# Allegro board FMDEMOD-57.brd
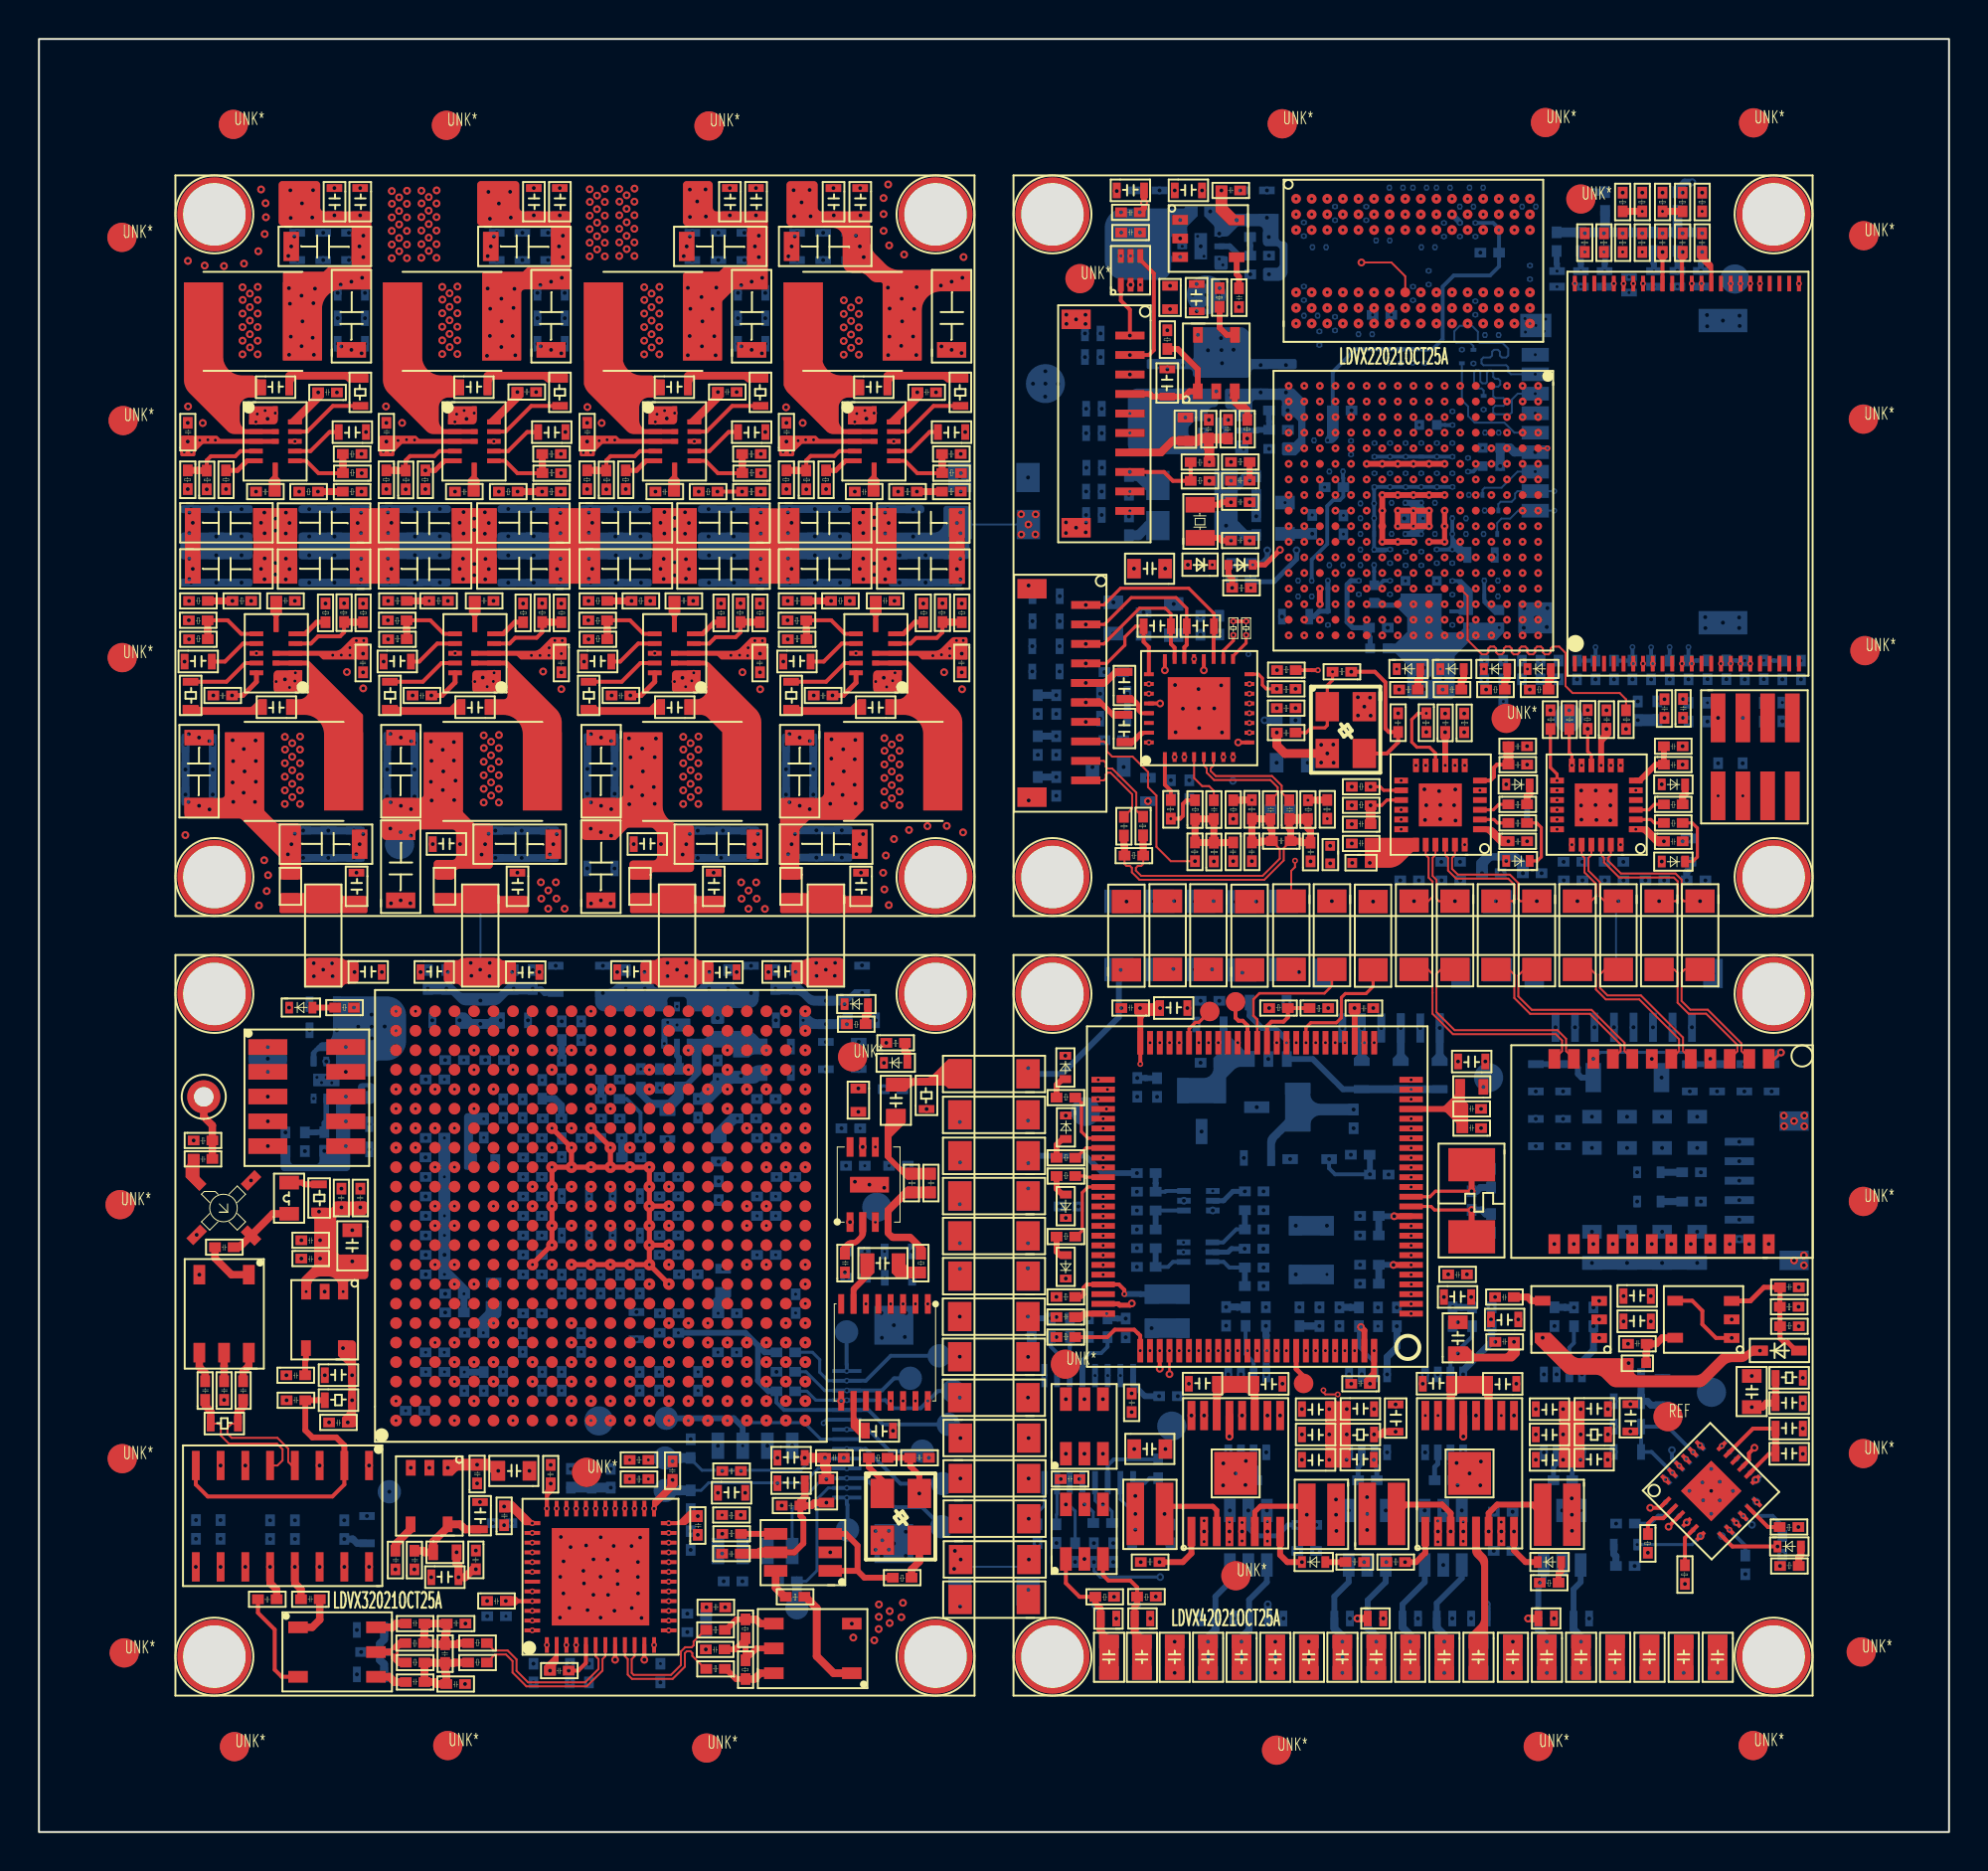
[diagram p0: board, top side]
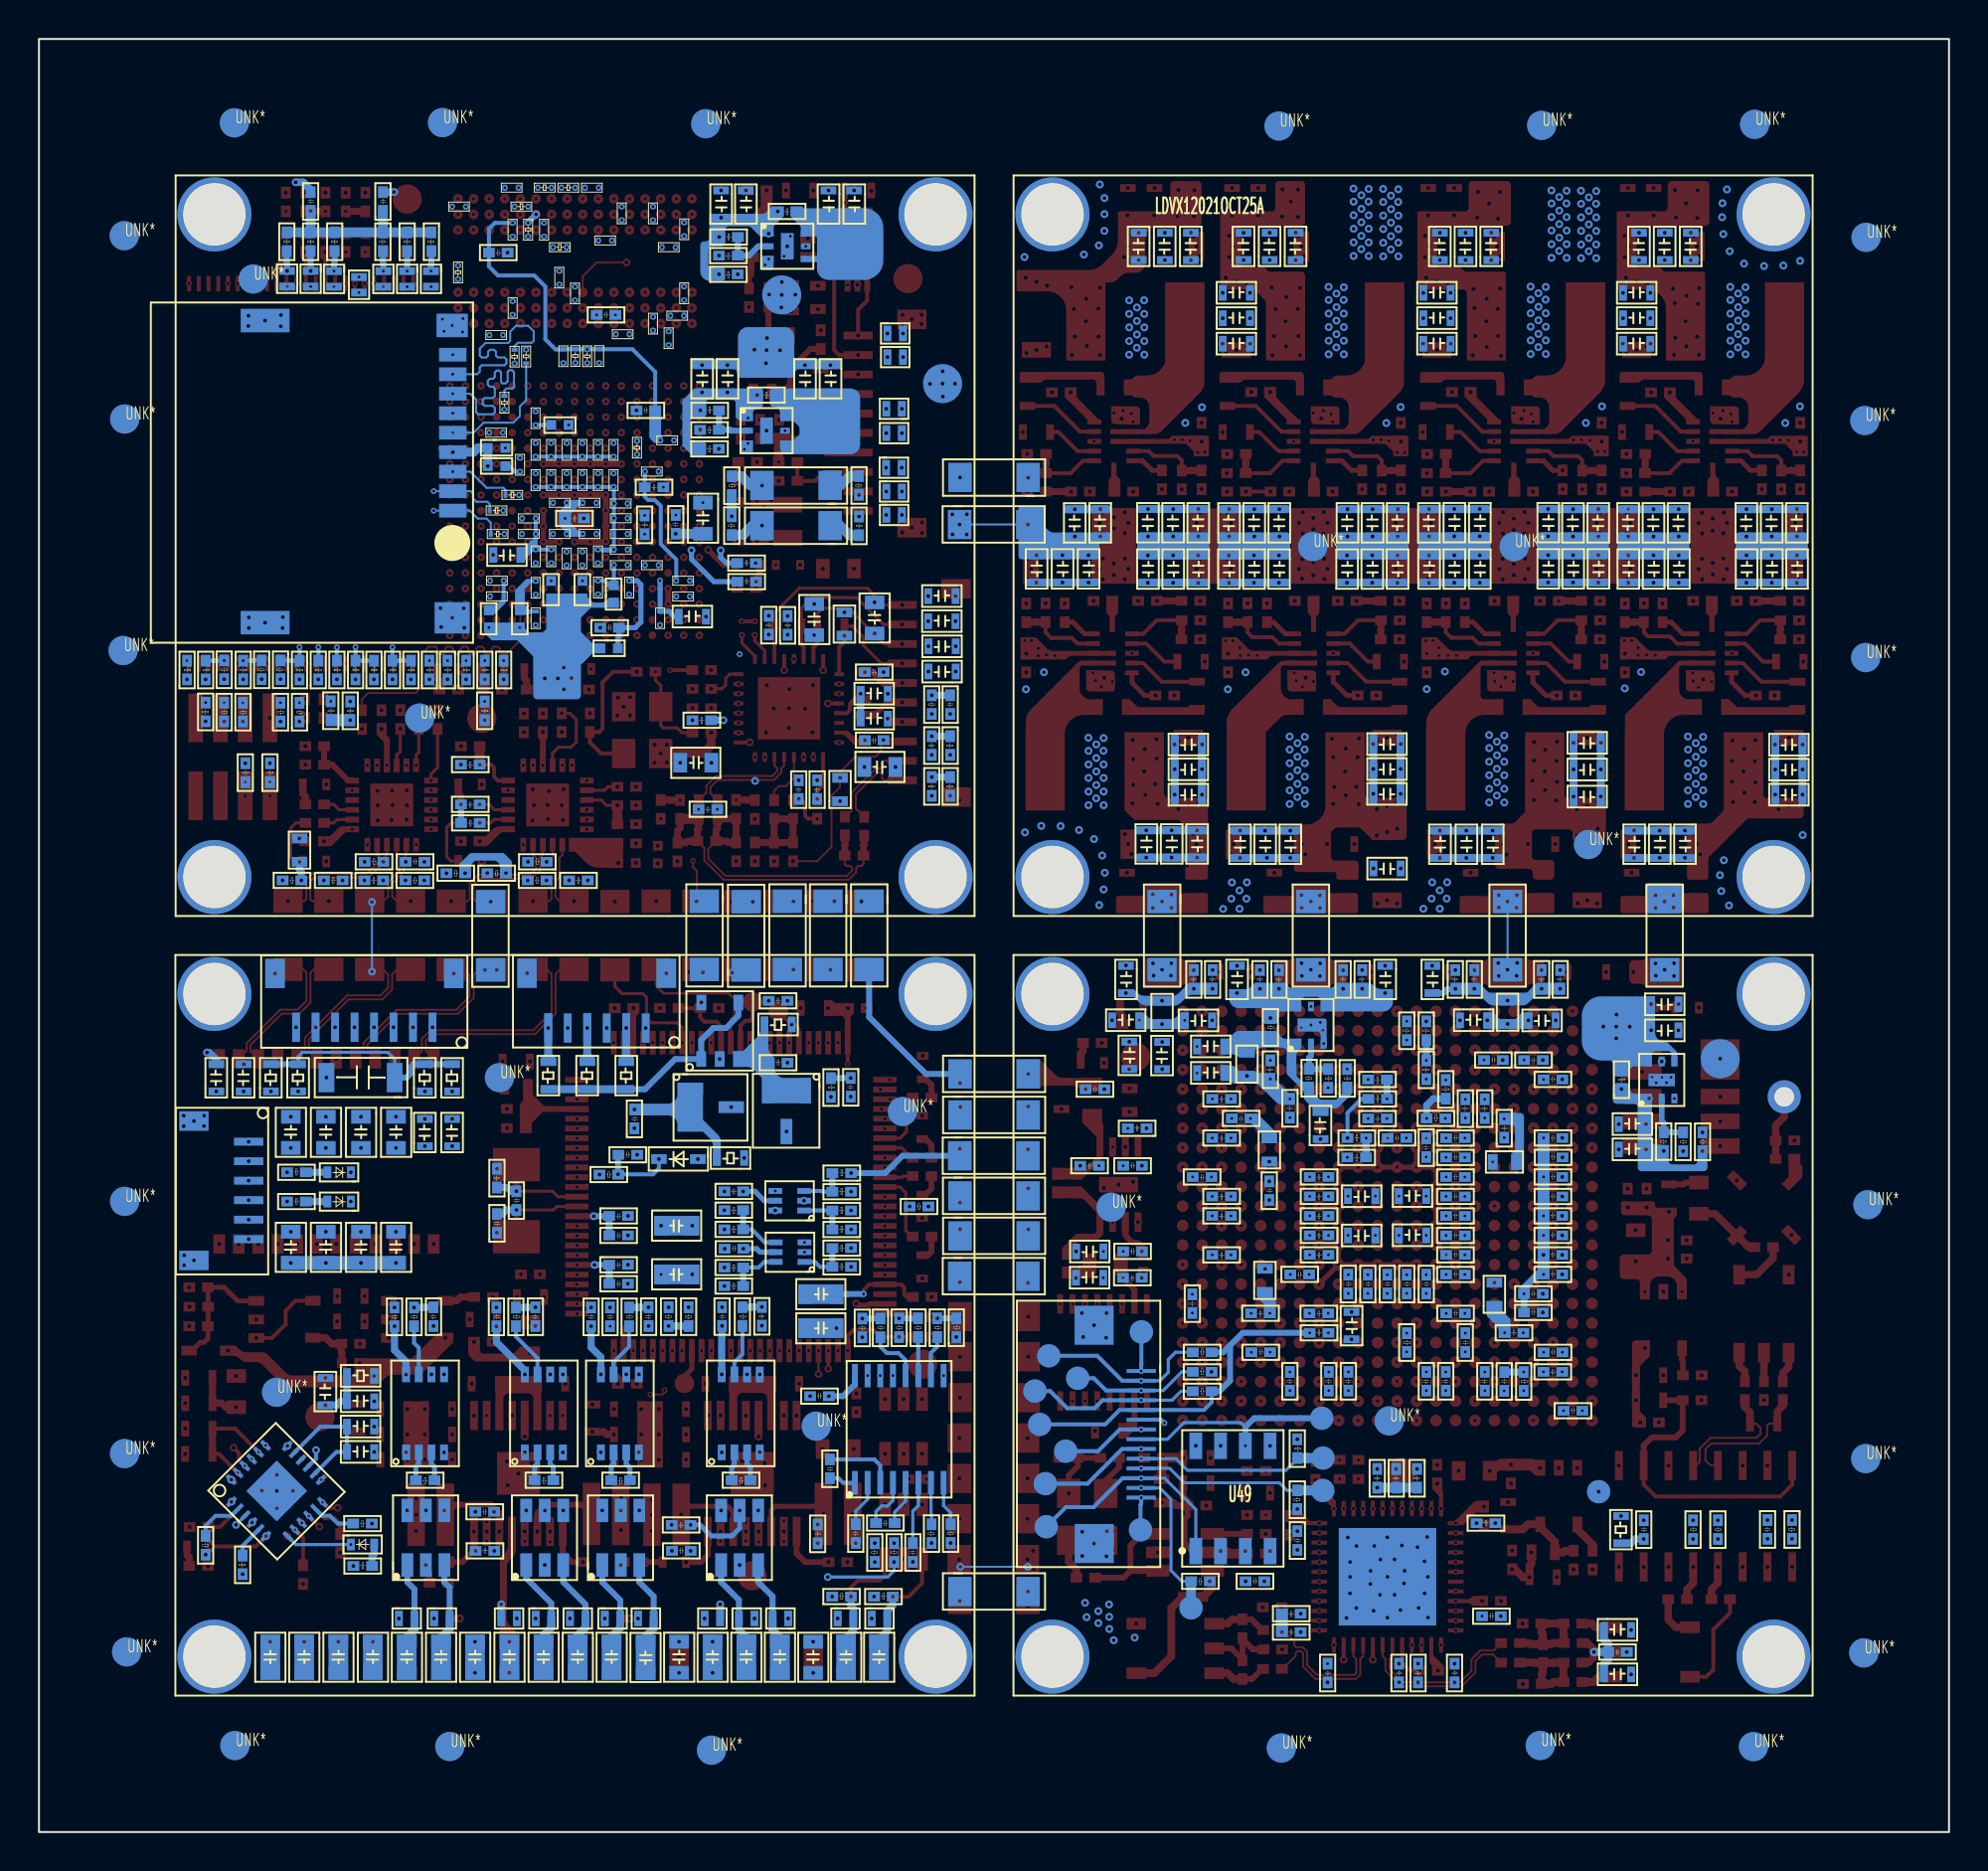
[diagram p1: board, bottom side, seen from below]

Outline 98 x 92 mm; copper layers: TOP, GND-L2, SIGNAL-L3, SIGNAL-L4, GND-L5, PWR-L6, SIGNAL-L7, SIGNAL-L8, GND-L9, BOTTOM. Coordinates in mm from the lower left corner of the outline.
Outline path: rectangle 0,0 98,92

## Design rules (mm)
constraint set DEFAULT: min track width 0.1
net group ARM_ONOFF: nets ARM_ONOFF N7767499
net group BOOT_MODE0: nets BOOT_MODE0 N8015227
net group BOOT_MODE1: nets BOOT_MODE1 N8015335
net group CLK2FPGA: nets CLK2FPGA N7587007
net group CLKO+: nets CLK_AD+ CLKO+
net group CLKO-: nets CLK_AD- CLKO-
net group CPU_UART3_RXD: nets CPU_UART3_RXD MCU_UART1_TXD
net group CPU_UART3_TXD: nets CPU_UART3_TXD MCU_UART1_RXD
net group DATA0: nets DATA0 N7454523
net group E1R+: nets E1R+ ENET1_RXP
net group E1R-: nets E1R- ENET1_RXN
net group E1T+: nets E1T+ ENET1_TXP
net group E1T-: nets E1T- ENET1_TXN
net group E2R+: nets E2R+ ENET2_RXP
net group E2R-: nets E2R- ENET2_RXN
net group E2T+: nets E2T+ ENET2_TXP
net group E2T-: nets E2T- ENET2_TXN
net group ENET1_LED1: nets ENET1_LED1 N4216158
net group ENET1_LED2: nets ENET1_LED2 N4216162
net group ENET1_RX: nets ENET1_RX+ ENET1_RX-
net group ENET1_TX: nets ENET1_TX+ ENET1_TX-
net group ENET1_TX_CLK: nets ENET1_TX_CLK N4219956
net group ENET2_LED1: nets ENET2_LED1 N4226540
net group ENET2_LED2: nets ENET2_LED2 N4226544
net group ENET2_RX: nets ENET2_RX+ ENET2_RX-
net group ENET2_TX: nets ENET2_TX+ ENET2_TX-
net group ENET2_TX_CLK: nets ENET2_TX_CLK N4226762
net group FPGA_SPI2_CS: nets FPGA_SPI2_CS MCU_SPI2_NSS
net group FPGA_SPI2_MISO: nets FPGA_SPI2_MISO MCU_SPI2_MISO
net group FPGA_SPI2_MOSI: nets FPGA_SPI2_MOSI MCU_SPI2_MOSI
net group FPGA_SPI2_SCLK: nets FPGA_SPI2_SCLK MCU_SPI2_SCK
net group HP_L: nets HP_L N6357472
net group HP_R: nets HP_R N6357497
net group LED1: nets LED1 N7455499
net group LED2: nets LED2 N7455557
net group LED3: nets LED3 N7921484
net group M1_I_ADC: nets M1_I_ADC N10404
net group M2_I_ADC: nets M2_I_ADC N11136
net group M3_I_ADC: nets M3_I_ADC N28759
net group M4_I_ADC: nets M4_I_ADC N28731
net group MCU_LED1: nets MCU_LED1 N7936310
net group MCU_LED2: nets MCU_LED2 N7936621
net group MCU_LED3: nets MCU_LED3 N7936920
net group MCU_LED4: nets MCU_LED4 N7937230
net group MG8: nets M4_PWM+ M4_PWM-
net group MG9: nets M3_PWM+ M3_PWM-
net group MG10: nets M2_PWM+ M2_PWM-
net group MG11: nets M1_PWM+ M1_PWM-
net group N07800: nets N07800 N07815
net group N08892: nets N08892 N08904
net group N28299: nets N28299 N28303
net group N28307: nets N28307 N28311
net group N7119824: nets N7119824 N7119964
net group N7119928: nets N7119928 N7120000
net group N7578107: nets N7578107 N7578654
net group N7581076: nets N7581076 N7581207
net group N7581083: nets N7581083 N7581229
net group N7586496: nets N7586496 N7586806
net group N7587454: nets N7587454 N7587591
net group N8184327: nets N8184327 N8184405
net group N8185005: nets N8185005 N8185070
net group N8189530: nets N8189530 N8189538
net group N8193321: nets N8193321 N8193329
net group N8193859: nets N8193859 N8193943
net group N8195603: nets N8195603 N8195611
net group N8196141: nets N8196141 N8196225
net group N8196950: nets N8196950 N8196956
net group N8197004: nets N8197004 N8197018
net group N8197074: nets N8197074 N8197078
net group N8197176: nets N8197176 N8197194
net group N8197218: nets N8197218 N8197222
net group N8197320: nets N8197320 N8197338
net group N8197362: nets N8197362 N8197366
net group N8197464: nets N8197464 N8197482
net group OSCIN: nets OSCIN OSCOUT
net group PMIC_ON_REQ: nets N8189916 PMIC_ON_REQ
net group POWER_GOOD: nets N8190068 POWER_GOOD
net group RSSI: nets N7580738 RSSI
net group SDQS0N: nets SDQS0N SDQS0P
net group SDQS1N: nets SDQS1N SDQS1P
net group SPK_LN: nets SPK_LN SPK_LP
net group SPK_RN: nets SPK_RN SPK_RP
net group USB_OTG1_D: nets USB_OTG1_DN USB_OTG1_DP
net group USB_OTG2_D: nets USB_OTG2_DN USB_OTG2_DP
net group XTALI: nets XTALI XTALO
net group 232_TXD: nets 232_TXD N7132401 N7303091 N7304159
net group ADC_DATA_BUS: nets AD3
net group AIN+: nets AIN+ AIN- N7581273 N7581277 N7581373 N7581387 VCOM
net group AUDIO_OUT: nets AUDIO_OUT MIC1_IN MIC1P MIC2N MIC2N_IN MIC2N_IN2 MIC2P MIC2P_IN MIC2P_IN2 MICBIAS N4966591 N4966598 N4966923 N4971120 N7424382 N7424390 N7424630 N7424654 N7424662
net group CK0N: nets CK0N
net group CPU_RST_FPGA: nets CPU_RST_FPGA MCU_RST_FPGA N7356169 NRST_FPGA
net group CPU_RST_MCU: nets CPU_RST_MCU FPGA_RST_MCU NRST_MCU
net group CPU_UART2_RXD: nets CPU_UART2_RXD ECSPI3_SCLK FPGA_SPI_SCLK MCU_UART3_RXD N7301618
net group CPU_UART2_TXD: nets CPU_UART2_TXD ECSPI3_CS0 FPGA_SPI_CS MCU_UART3_TXD N7120004
net group CPU_UART4_RXD: nets CPU_UART4_RXD CPU_UART4_RXD_X FPGA_UART2_TXD FPGA_UART_TXD MCU_UART4_RXD N7301693
net group CPU_UART4_TXD: nets CPU_UART4_TXD CPU_UART4_TXD_X FPGA_UART2_RXD MCU_UART4_TXD N7301681
net group ECSPI3_MISO: nets ECSPI3_MISO FPGA_SPI_MISO N7356015
net group ECSPI3_MOSI: nets ECSPI3_MOSI FPGA_SPI_MOSI N7355971
net group ENC+: nets ENC+ ENC- N7587990 N7588005 N7588017
net group FPGA_RST_CPU: nets FPGA_RST_CPU MCU_RST_CPU NRST_CPU
net group LASER_TXD: nets LASER_TXD N7132405 N7132819 N7303177
net group LCD_DATA5: nets LCD_DATA5 LCD_DATA7 N7060523
net group LCD_DATA11: nets LCD_DATA6 LCD_DATA11 N7060478
net group MG4: nets SAI2_BCLK SAI2_MCLK SAI2_RXD SAI2_SYNC SAI2_TXD
net group MG5: nets ENET1_CRS_DV ENET1_RXD0 ENET1_RXD1 ENET1_RXER ENET1_TXD0 ENET1_TXD1 ENET1_TXEN
net group MG6: nets ENET2_CRS_DV ENET2_RXD0 ENET2_RXD1 ENET2_RXER ENET2_TXD0 ENET2_TXD1 ENET2_TXEN
net group MG_DATA0-7: nets D0 D1 D2 D3 D4 D5 D6 D7 DQM0
net group MG_DATA8-15: nets D8 D9 D10 D11 D12 D13 D14 D15 DQM1
net group MG_I2S: nets I2S_BCK I2S_DATA I2S_LRCK I2S_SCK
net group MG_SDRAM_ADDRESS: nets BA0 BA1 BA2 CS0 CS1
net group N4254817: nets N4254817 N4254839 N4254858 N4255061 N4255753
net group N7578935: nets N7578935 N7579108 N7579398
net group N7579488: nets N7579488 N7579492 N7579615 N7579629
net group NG1: nets A0 A1 A2 A3 A4 A5 A6 A7 A8 A9 A10 A11 A12 A13 A14 A15
net group PHY_UART_RX1: nets N7132397 N7303129 N7304177 PHY_UART_RX1
net group PT100-1: nets N57288 PT100-1 PT100-2 PT100-3
net group SD1_CMD: nets SD1_CMD
net group SD1_DATA0: nets SD1_DATA0
net group SD1_DATA1: nets SD1_DATA1
net group SD1_DATA2: nets SD1_DATA2
net group SD1_DATA3: nets SD1_DATA3
net group TTL_TXD: nets N7132409 N7132815 N7303150 TTL_TXD

## Placement (name value [footprint] x y rotation side)
A1  -  [ERA-2SM]  9.47 32.02 315 top
C1  10uF  [C0603]  55.2 83.83 0 top
C2  10uF  [C0603]  58.17 83.83 0 top
C3  0.1uF  [C0402]  61.64 84.48 180 top
C4  0.1uF/25V  [C0603]  14.76 84.45 270 top
C5  0.1uF/25V  [C0603]  16.08 84.45 270 top
C6  0.1uF/25V  [C0603]  24.99 84.45 270 top
C7  0.1uF/25V  [C0603]  26.32 84.45 270 top
C8  0.1uF/25V  [C0603]  35.05 84.45 270 top
C9  0.1uF/25V  [C0603]  36.39 84.45 270 top
C10  0.1uF/25V  [C0603]  40.36 84.45 270 top
C11  0.1uF/25V  [C0603]  41.73 84.45 270 top
C12  0.1uF  [C0402]  55.51 82.86 0 top
C13  0.1uF  [C0402]  56.5 82.32 180 top
C14  0.1uF  [C0402]  83.05 82.04 270 top
C15  0.1uF  [C0402]  84.08 82.04 270 top
C16  0.1uF  [C0402]  85.08 82.04 270 top
C17  22uF/25V  [C1206]  13.09 80.57 0 top
C18  22uF/25V  [C1206]  23.33 80.57 0 top
C19  22uF/25V  [C1206]  33.38 80.57 0 top
C20  22uF/25V  [C1206]  38.77 80.57 0 top
C21  10uF  [C0603]  59.8 77.93 90 top
C22  0.01uF  [C0402]  61.82 78.24 90 top
C23  22uF/25V  [C1206]  16.82 76.2 90 top
C24  22uF/25V  [C1206]  27.06 76.2 90 top
C25  22uF/25V  [C1206]  37.36 76.2 90 top
C26  22uF/25V  [C1206]  47.62 76.2 90 top
C27  10uF  [C0603]  58.29 73.55 90 top
C28  0.1uF  [C0603]  11.34 73.73 0 top
C29  0.1uF  [C0603]  21.52 73.73 0 top
C30  0.1uF  [C0603]  31.8 73.73 0 top
C31  0.1uF  [C0603]  42.03 73.73 0 top
C32  1uF/10V  [C0402]  25.52 74.13 180 top
C33  1uF/10V  [C0402]  35.81 74.13 180 top
C34  1uF/10V  [C0402]  46.03 74.12 180 top
C35  1uF/10V  [C0402]  15.3 74.11 180 top
C36  0.1uF  [C0402]  59.77 72.47 270 top
C37  10uF  [C0402]  60.76 72.47 270 top
C38  100pF/25V  [C0603]  16.88 72.23 180 top
C39  150pF/25V  [C0603]  27.11 72.23 180 top
C40  100pF/25V  [C0603]  37.37 72.23 180 top
C41  100pF/25V  [C0603]  47.62 72.23 180 top
C42  0.1uF  [C0402]  7.88 71.33 90 top
C43  0.1uF  [C0402]  18.07 71.33 90 top
C44  0.1uF  [C0402]  28.38 71.33 90 top
C45  0.1uF  [C0402]  38.6 71.33 90 top
C46  0.1uF  [C0402]  62.13 69.59 180 top
C47  15nF  [C0402]  11.13 68.53 0 top
C48  15nF  [C0402]  21.34 68.53 0 top
C49  15nF  [C0402]  31.62 68.53 0 top
C50  15nF  [C0402]  41.85 68.53 0 top
C51  18pF  [C0402]  62.13 68.48 180 top
C52  22uF/50V  [C1206]  8.04 66.39 0 top
C53  22uF/50V  [C1206]  16.2 67.95 180 top
C54  22uF/50V  [C1206]  18.23 66.39 0 top
C55  22uF/50V  [C1206]  26.43 67.95 180 top
C56  22uF/50V  [C1206]  28.54 66.39 0 top
C57  22uF/50V  [C1206]  36.7 67.95 180 top
C58  22uF/50V  [C1206]  38.76 66.39 0 top
C59  22uF/50V  [C1206]  46.95 67.95 180 top
C60  18pF  [C0402]  62.13 66.52 180 top
C61  22uF/50V  [C1206]  8.04 64.02 0 top
C62  22uF/50V  [C1206]  16.2 65.59 180 top
C63  22uF/50V  [C1206]  18.23 64.02 0 top
C64  22uF/50V  [C1206]  26.43 65.59 180 top
C65  22uF/50V  [C1206]  28.54 64.02 0 top
C66  22uF/50V  [C1206]  36.7 65.59 180 top
C67  22uF/50V  [C1206]  38.76 64.02 0 top
C68  22uF/50V  [C1206]  46.95 65.59 180 top
C69  15nF  [C0402]  13.14 63.42 180 top
C70  15nF  [C0402]  23.33 63.42 180 top
C71  15nF  [C0402]  33.58 63.42 180 top
C72  15nF  [C0402]  43.9 63.42 180 top
C73  15pF/50V  [C0603]  56.58 61.47 0 top
C74  15pF/50V  [C0603]  58.79 61.47 0 top
C75  100pF/25V  [C0603]  7.37 59.66 0 top
C76  150pF/25V  [C0603]  17.58 59.66 0 top
C77  100pF/25V  [C0603]  27.87 59.66 0 top
C78  100pF/25V  [C0603]  38.09 59.66 0 top
C79  0.1uF  [C0402]  16.38 60.47 270 top
C80  0.1uF  [C0402]  26.55 60.47 270 top
C81  0.1uF  [C0402]  36.74 60.47 270 top
C82  0.1uF  [C0402]  47.09 60.47 270 top
C83  10uF  [C0603]  56.1 58.03 90 top
C84  1uF/10V  [C0402]  8.94 58.07 0 top
C85  1uF/10V  [C0402]  19.16 58.07 0 top
C86  1uF/10V  [C0402]  29.37 58.07 0 top
C87  1uF/10V  [C0402]  39.74 58.07 0 top
C88  0.1uF  [C0603]  12.98 58.12 180 top
C89  0.1uF  [C0603]  23.18 58.12 180 top
C90  0.1uF  [C0603]  33.42 58.12 180 top
C91  0.1uF  [C0603]  43.73 58.12 180 top
C92  0.1uF  [C0402]  84.6 57.16 90 top
C93  0.1uF  [C0402]  83.65 57.15 90 top
C94  0.1uF  [C0402]  80.67 56.59 90 top
C95  18pF  [C0402]  69.48 57.41 270 top
C96  0.1uF  [C0402]  72.4 56.42 90 top
C97  10uF  [C0603]  56.1 55.82 90 top
C98  18pF  [C0402]  63.5 56.16 0 top
C99  10uF  [C0402]  75.38 55.46 0 top
C100  10uF  [C0402]  83.36 55.46 0 top
C101  0.1uF  [C0402]  83.36 54.52 0 top
C102  0.1uF  [C0402]  75.38 54.52 0 top
C103  22uF/25V  [C1206]  7.42 56 270 top
C104  22uF/25V  [C1206]  17.78 56 270 top
C105  22uF/25V  [C1206]  28.05 56 270 top
C106  22uF/25V  [C1206]  38.24 56 270 top
C107  1uF  [C0402]  60.53 51.97 90 top
C108  100nF  [C0402]  63.44 51.97 90 top
C109  100nF  [C0402]  64.4 51.97 90 top
C110  0.1uF  [C0402]  68.33 51.96 180 top
C111  33pF  [C0402]  64.23 51.09 180 top
C112  0.1uF  [C0402]  75.38 50.59 0 top
C113  0.1uF  [C0402]  83.36 50.58 0 top
C114  0.1uF  [C0402]  68.33 50.97 180 top
C115  22uF/25V  [C1206]  16.3 51.48 180 top
C116  0.1uF/25V  [C0603]  20.1 50.29 0 top
C117  22uF/25V  [C1206]  26.24 51.48 180 top
C118  0.1uF/25V  [C0603]  30.41 50.29 0 top
C119  22uF/25V  [C1206]  36.56 51.48 180 top
C120  22uF/25V  [C1206]  41.96 51.48 180 top
C121  220pF  [C0402]  61.02 50.78 270 top
C122  33pF  [C0402]  61.98 50.78 270 top
C123  33pF  [C0402]  65.49 49.79 90 top
C124  22uF/25V  [C1206]  19.35 47.95 90 top
C125  22uF/25V  [C1206]  29.62 47.95 90 top
C126  0.1uF/25V  [C0603]  15.89 49.32 270 top
C127  0.1uF/25V  [C0603]  24.15 49.32 270 top
C128  0.1uF/25V  [C0603]  34.22 49.32 270 top
C129  0.1uF/25V  [C0603]  41.77 49.32 270 top
C130  0.1uF  [C0603]  16.09 43.72 0 top
C131  0.1uF  [C0603]  19.48 43.72 0 top
C132  0.1uF  [C0603]  25.77 44.52 180 top
C133  0.1uF  [C0603]  29.57 43.72 0 top
C134  0.1uF  [C0603]  35.9 44.52 180 top
C135  0.1uF  [C0603]  37.33 43.72 0 top
C136  0.1uF  [C0402]  56.51 42.53 180 top
C137  10uF  [C0603]  57.42 41.88 0 top
C138  0.1uF  [C0402]  67.49 42.03 0 top
C139  1uF  [C0603]  74.31 39.94 180 top
C140  10uF  [C0805]  44.59 36.54 90 top
C141  0.1uF  [C0402]  74 37.35 180 top
C142  0.1uF  [C0402]  74 36.37 180 top
C143  0.1uF  [C0402]  7.92 34.29 0 top
C144  0.1uF  [C0402]  46.01 32.81 90 top
C145  0.1uF  [C0402]  15.27 33.02 270 top
C146  0.1uF  [C0402]  16.24 33.02 270 top
C147  0.1uF  [C0402]  13.45 30.11 0 top
C148  10uF  [C0805]  15.46 31.08 270 top
C149  0.1uF  [C0402]  9.02 29.76 0 top
C150  0.1uF  [C0402]  13.45 29.17 0 top
C151  0.1uF  [C0402]  41.6 28.7 90 top
C152  10uF  [C0805]  42.3 28.56 0 top
C153  0.1uF  [C0402]  72.3 28.36 0 top
C154  0.1uF  [C0402]  90.3 28.2 180 top
C155  1uF  [C0603]  81.2 27.1 0 top
C156  10uF  [C0603]  71.98 27.05 0 top
C157  0.01uF  [C0402]  74.7 27.2 0 top
C158  0.1uF  [C0402]  53.17 26.67 180 top
C159  1uF  [C0603]  76 26.7 180 top
C160  0.1uF  [C0603]  81.2 25.8 0 top
C161  10uF  [C0805]  73.42 24.36 90 top
C162  0.1uF  [C0402]  75.69 25.4 180 top
C163  0.1uF  [C0402]  82.5 25.3 180 top
C164  0.01uF  [C0402]  12.68 23.19 0 top
C165  10uF  [C0603]  14.56 23.04 0 top
C166  2.2uF  [C0603]  58.9 22.6 0 top
C167  2.2uF  [C0603]  63.9 23.4 180 top
C168  0.1uF  [C0402]  68.3 23.25 180 top
C169  2.2uF  [C0603]  70.9 22.6 0 top
C170  2.2uF  [C0603]  75.9 23.4 180 top
C171  0.01uF  [C0402]  8.78 22.16 90 top
C172  0.01uF  [C0402]  9.75 22.16 90 top
C173  0.01uF  [C0402]  10.72 22.16 90 top
C174  10uF  [C0805]  88.5 21.6 90 top
C175  0.01uF  [C0402]  13.67 22.4 180 top
C176  0.1uF  [C0402]  56.31 21.53 90 top
C177  0.1uF  [C0603]  89 21.6 0 top
C178  0.1uF  [C0603]  66.3 22.1 180 top
C179  4.7uF  [C0603]  67 21.3 0 top
C180  4.7uF  [C0603]  78.3 22.1 180 top
C181  0.1uF  [C0603]  79 21.3 0 top
C182  4.7uF  [C0603]  81.25 22.05 270 top
C183  4.7uF  [C0603]  69.2 22.04 270 top
C184  0.1uF  [C0402]  14.88 20.77 0 top
C185  2.2uF  [C0603]  89 20.3 0 top
C186  10uF  [C0603]  43.92 20.99 180 top
C187  4.7uF  [C0603]  66.3 20.8 180 top
C188  4.7uF  [C0603]  78.3 20.8 180 top
C189  10uF  [C0805]  55.99 19.03 0 top
C190  2.2uF  [C0603]  89 19 0 top
C191  10uF  [C0603]  37.79 18.8 0 top
C192  0.1uF  [C0402]  41.3 19.45 180 top
C193  0.1uF  [C0402]  45.67 19.45 180 top
C194  0.1uF  [C0603]  66.3 19.5 180 top
C195  4.7uF  [C0603]  66.99 18.7 0 top
C196  0.1uF  [C0603]  78.3 19.5 180 top
C197  4.7uF  [C0603]  78.99 18.7 0 top
C198  0.1uF  [C0402]  32.26 19.03 270 top
C199  0.1uF  [C0402]  35.05 18.28 0 top
C200  10uF  [C0805]  25.36 19.15 180 top
C201  0.1uF  [C0402]  22.73 17.88 90 top
C202  0.1uF  [C0402]  26.01 18.85 270 top
C203  0.1uF  [C0402]  53.39 18.36 180 top
C204  10uF  [C0603]  37.79 17.5 0 top
C205  10uF  [C0603]  34.74 17 0 top
C206  0.1uF  [C0402]  38.1 16.5 0 top
C207  10uF  [C0603]  22.23 17.03 270 top
C208  0.1uF  [C0402]  24.11 15.73 90 top
C209  0.1uF  [C0402]  34.05 15.24 90 top
C210  0.1uF  [C0402]  35.04 14.03 0 top
C211  0.01uF  [C0402]  18.54 13.47 90 top
C212  0.1uF  [C0402]  19.51 13.47 90 top
C213  0.1uF  [C0402]  22.17 14.45 270 top
C214  10uF  [C0603]  20.03 12.67 0 top
C215  0.01uF  [C0402]  11.22 11.69 0 top
C216  0.01uF  [C0402]  14.41 12.19 180 top
C217  0.1uF  [C0402]  22.98 11.61 0 top
C218  0.1uF  [C0402]  35.22 11.78 180 top
C219  1uF  [C0402]  19.79 10.94 180 top
C220  8.2pF  [C0402]  21.89 10.94 180 top
C221  0.1uF  [C0402]  34.2 9.12 0 top
C222  8.2pF  [C0402]  20.59 9.64 270 top
C223  DNP  [C0805]  54.28 9.97 270 top
C224  DNP  [C0805]  55.97 9.97 270 top
C225  DNP  [C0805]  57.65 9.97 270 top
C226  DNP  [C0805]  59.36 9.97 270 top
C227  DNP  [C0805]  61.08 9.97 270 top
C228  DNP  [C0805]  62.81 9.97 270 top
C229  DNP  [C0805]  64.53 9.97 270 top
C230  DNP  [C0805]  66.25 9.97 270 top
C231  DNP  [C0805]  67.99 9.97 270 top
C232  DNP  [C0805]  69.73 9.97 270 top
C233  DNP  [C0805]  71.48 9.97 270 top
C234  DNP  [C0805]  73.23 9.97 270 top
C235  DNP  [C0805]  75 9.97 270 top
C236  DNP  [C0805]  76.75 9.97 270 top
C237  DNP  [C0805]  78.5 9.97 270 top
C238  DNP  [C0805]  80.24 9.97 270 top
C239  DNP  [C0805]  82.01 9.97 270 top
C240  DNP  [C0805]  83.77 9.97 270 top
C241  DNP  [C0805]  85.51 9.97 270 top
C242  2.2uF  [C0402]  26.21 8.03 0 top
C243  1uF  [C0402]  19.79 7.94 180 top
C244  8.2pF  [C0402]  20.89 7.34 0 top
C245  0.22uF  [C0201]  74.05 84.22 180 bottom
C246  0.22uF  [C0201]  69.93 84.22 180 bottom
C247  0.1uF  [C0402]  83.81 83.17 90 bottom
C248  10uF  [C0402]  80.1 83.17 90 bottom
C249  10uF  [C0603]  63.4 84.33 270 bottom
C250  10uF  [C0603]  62.14 84.33 270 bottom
C251  10uF  [C0603]  57.89 84.33 270 bottom
C252  10uF  [C0603]  56.58 84.33 270 bottom
C253  0.22uF  [C0201]  76.15 83.55 0 bottom
C254  0.22uF  [C0201]  68.25 83.35 270 bottom
C255  0.22uF  [C0201]  66.65 83.35 270 bottom
C256  0.22uF  [C0201]  65.05 82.54 270 bottom
C257  0.22uF  [C0201]  73.85 82.51 270 bottom
C258  0.22uF  [C0201]  72.23 82.51 270 bottom
C259  0.22uF  [C0201]  69.25 81.51 180 bottom
C260  0.1uF/25V  [C0603]  41.17 80.56 90 bottom
C261  0.1uF/25V  [C0603]  39.84 80.56 90 bottom
C262  0.1uF/25V  [C0603]  38.5 80.56 90 bottom
C263  0.1uF/25V  [C0603]  35.79 80.56 90 bottom
C264  0.1uF/25V  [C0603]  34.46 80.56 90 bottom
C265  0.1uF/25V  [C0603]  33.12 80.56 90 bottom
C266  0.1uF/25V  [C0603]  25.72 80.56 90 bottom
C267  0.1uF/25V  [C0603]  24.4 80.56 90 bottom
C268  0.1uF/25V  [C0603]  23.09 80.56 90 bottom
C269  0.1uF/25V  [C0603]  15.5 80.56 90 bottom
C270  0.1uF/25V  [C0603]  14.18 80.56 90 bottom